# Allegro board 1140022-KU060_PCIE_FIBER_BOARD_V001_pcb166_20240120_1835_pcb.brd (continued)
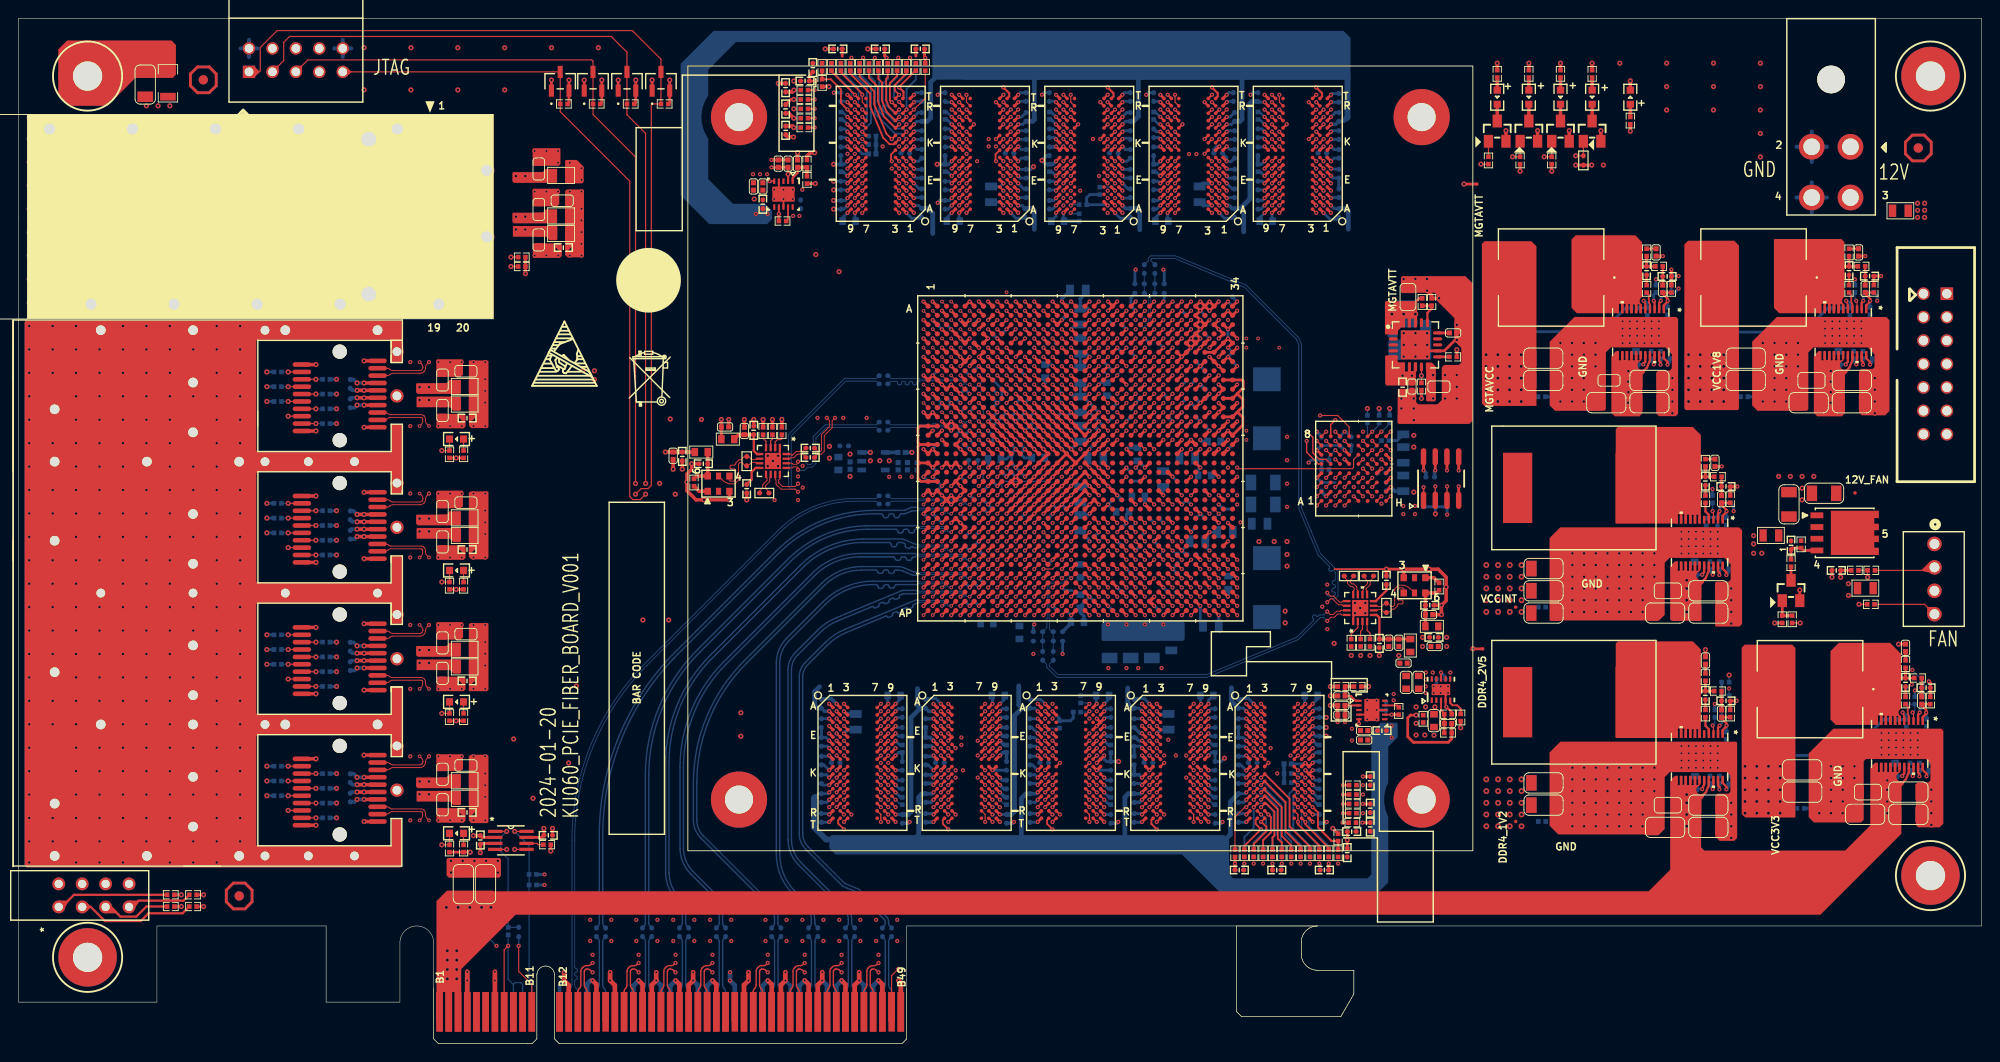
[diagram p0: board, top side]
## Routing (per net, layer and track width the routed paths; a pad name or vN(x,y) marks a point on that pad's centre or on a via; arc(x,y) is an arc through that point) (continued)
CHA_FPGA_DDR4_C2_BG0: length 128.1
  TOP w0.229: U13.M2 v1(107.57,99.67) ; U11.M2 v1(96.27,99.67) ; U12.M2 v1(118.87,99.67) ; U1.C26 v1(124.11,78.45) ; U10.M2 v1(141.48,99.67) ; U9.M2 v1(130.18,99.67)
  ART03 w0.137: 141.88,89.86 141.88,98.38
  ART03 w0.155: v1(124.11,78.45) 124.3,78.45 124.87,79.02 125.48,79.02 125.58,79.12 125.58,79.6 125.96,79.98 126.29,79.98 126.62,80.31 126.62,80.8 130.2,84.38 130.65,84.38 130.81,84.53 130.81,85.14 130.96,85.29 131.27,85.29 131.43,85.14 131.43,84.56 131.61,84.38 131.89,84.38 132.05,84.53 132.05,86.28 132.2,86.44 132.51,86.44 132.67,86.28 132.67,84.56 132.85,84.38 133.2,84.38 133.36,84.53 133.36,87.5 133.51,87.66 133.82,87.66 133.98,87.5 133.98,84.56 134.16,84.38 135.09,84.38 135.24,84.53 135.24,85.34 135.39,85.5 135.7,85.5 135.86,85.34 135.86,84.56 136.04,84.38 136.32,84.38 136.48,84.53 136.48,85.34 136.63,85.5 136.94,85.5 137.1,85.34 137.1,84.56 137.28,84.38 137.56,84.38 137.72,84.53 137.72,85.34 137.87,85.5 138.18,85.5 138.34,85.34 138.34,84.56 138.52,84.38 138.8,84.38 138.96,84.53 138.96,85.34 139.11,85.5 139.42,85.5 139.58,85.34 139.58,84.56 139.76,84.38 140.04,84.38 140.2,84.53 140.2,85.34 140.35,85.5 140.66,85.5 140.82,85.34 140.82,84.76 140.97,84.61 141.42,84.61 141.58,84.76 141.58,85.81 141.42,85.97 140.67,85.97 140.51,86.12 140.51,86.43 140.67,86.59 141.42,86.59 141.58,86.74 141.58,87.05 141.42,87.21 140.67,87.21 140.51,87.36 140.51,87.67 140.67,87.83 141.42,87.83 141.58,87.98 141.58,88.29 141.42,88.45 140.67,88.45 140.51,88.6 140.51,88.91 140.67,89.07 141.42,89.07 141.58,89.22 141.58,89.56 141.88,89.86 ; v1(141.48,99.67) 141.48,98.78 141.88,98.38
  ART05 w0.086: v1(141.48,99.67) 141.07,99.26 139.44,99.26 137.21,101.5 136.76,101.68 134.75,101.68 134.67,101.77 134.67,101.82 134.58,101.9 134.41,101.9 134.32,101.82 134.32,101.77 134.23,101.68 134.08,101.68 131.66,99.27 130.58,99.27 v1(130.18,99.67) 129.77,99.26 128.14,99.26 125.91,101.5 125.46,101.68 123.45,101.68 123.36,101.77 123.36,101.82 123.28,101.9 123.1,101.9 123.02,101.82 123.02,101.77 122.93,101.68 122.77,101.68 120.36,99.27 119.28,99.27 v1(118.87,99.67) 118.47,99.26 117.09,99.26 115.04,101.31 114.16,101.68 112.15,101.68 112.06,101.77 112.06,101.82 111.97,101.9 111.8,101.9 111.72,101.82 111.72,101.77 111.63,101.68 111.47,101.68 109.06,99.27 107.97,99.27 v1(107.57,99.67) 107.16,99.26 105.53,99.26 103.3,101.5 102.85,101.68 100.84,101.68 100.76,101.77 100.76,101.82 100.67,101.9 100.5,101.9 100.41,101.82 100.41,101.77 100.33,101.68 100.17,101.68 97.76,99.27 96.67,99.27 v1(96.27,99.67)
  BOTTOM w0.127: 94.95,100.08 95.73,100.08 96.14,99.67 v1(96.27,99.67)
  BOTTOM w0.201: 94.95,100.08 94.87,100.08 93.7,101.24 93.7,104.06 94.23,104.59 R144.1
CHA_FPGA_DDR4_C2_CAS: length 122.1
  TOP w0.229: U9.M8 v1(124.58,99.67) ; U11.M8 v1(90.67,99.67) ; R151.1 v1(86.31,100.33) ; U10.M8 v1(135.88,99.67) ; U12.M8 v1(113.27,99.67) ; v1(125.11,79.45) U1.B27 ; U13.M8 v1(101.97,99.67)
  ART03 w0.086: v1(135.88,99.67) 135.71,99.67 135.33,99.29 134.68,99.29 134.6,99.37 134.6,99.61 134.51,99.69 134.34,99.69 134.25,99.61 134.25,99.37 134.16,99.29 133.99,99.29 133.9,99.37 133.9,99.58 133.82,99.67 133.65,99.67 133.56,99.58 133.56,99.37 133.47,99.29 133.12,99.29 132.78,99.63 132.78,99.76 131.67,100.87 128.78,100.87 127.99,100.08 125.65,100.08 125.48,99.9 125.07,99.9 124.84,99.67 v1(124.58,99.67) 124.41,99.67 124.03,99.29 123.38,99.29 123.29,99.37 123.29,99.61 123.21,99.69 123.03,99.69 122.95,99.61 122.95,99.37 122.86,99.29 122.69,99.29 122.6,99.37 122.6,99.58 122.51,99.67 122.34,99.67 122.26,99.58 122.26,99.37 122.17,99.29 121.82,99.29 121.48,99.63 121.48,99.76 120.37,100.87 117.47,100.87 116.68,100.08 114.35,100.08 114.17,99.9 113.77,99.9 113.54,99.67 v1(113.27,99.67) 113.11,99.67 112.73,99.29 112.08,99.29 111.99,99.37 111.99,99.61 111.9,99.69 111.73,99.69 111.64,99.61 111.64,99.37 111.56,99.29 111.38,99.29 111.3,99.37 111.3,99.58 111.21,99.67 111.04,99.67 110.95,99.58 110.95,99.37 110.87,99.29 110.52,99.29 110.18,99.63 110.18,99.76 109.06,100.87 106.17,100.87 105.38,100.08 103.05,100.08 102.87,99.9 102.46,99.9 102.24,99.67 v1(101.97,99.67) 101.8,99.67 101.42,99.29 100.77,99.29 100.69,99.37 100.69,99.61 100.6,99.69 100.43,99.69 100.34,99.61 100.34,99.37 100.25,99.29 100.08,99.29 100,99.37 100,99.58 99.91,99.67 99.74,99.67 99.65,99.58 99.65,99.37 99.56,99.29 99.21,99.29 98.87,99.63 98.87,99.76 97.76,100.87 94.87,100.87 94.08,100.08 91.21,100.08 90.81,99.67 v1(90.67,99.67) 90.5,99.67 90.09,99.26 89.64,99.26
  ART03 w0.155: v1(86.31,100.33) 87.42,100.33 88.49,99.26 89.64,99.26
  ART10 w0.137: 140.41,101.67 142.71,101.67 142.72,101.68
  ART10 w0.155: 140.41,101.67 140.29,101.55 138.63,101.55 137.03,99.95 136.4,99.95 136.12,99.67 v1(135.88,99.67) ; v1(125.11,79.45) 125.17,79.45 125.6,79.88 125.6,80.62 127.18,82.19 141.48,82.19 141.68,82.39 141.89,82.39 142.07,82.22 142.29,82.22 142.51,82.44 142.51,82.66 142.33,82.83 142.33,83.05 142.55,83.27 142.77,83.27 143.12,82.92 143.34,82.92 143.56,83.14 143.56,83.36 143.21,83.71 143.21,83.93 143.43,84.15 143.65,84.15 144,83.79 144.22,83.79 144.44,84.01 144.44,84.23 144.09,84.58 144.09,84.8 144.31,85.02 144.53,85.02 144.88,84.67 145.1,84.67 145.32,84.89 145.32,85.11 144.96,85.46 144.96,85.68 148.18,88.9 148.18,100.94 147.45,101.68 142.72,101.68
CHA_FPGA_DDR4_C2_CK_N: length 120
  TOP w0.145: U12.K8 v1(113.27,98.07) ; U13.K8 v1(101.97,98.07) ; v1(135.88,98.07) U10.K8 ; v1(124.58,98.07) U9.K8 ; U11.K8 v1(90.67,98.07) ; U1.A24 v1(122.11,80.45)
  ART05 w0.104: v1(90.67,98.07) 90.74,98.03 91.41,97.67 91.85,97.67 93.41,96.11 98.03,96.11 99.03,96.52 99.18,96.52 99.38,96.32 99.84,96.32 100.35,96.82 100.35,97.21 100.11,97.45 100.11,97.6 100.39,97.89 100.59,97.89 100.81,97.67 101.22,97.67 101.81,97.91 v1(101.97,98.07) 102.04,98.03 102.71,97.67 103.15,97.67 104.71,96.11 109.33,96.11 110.33,96.52 110.48,96.52 110.68,96.32 111.15,96.32 111.65,96.82 111.65,97.21 111.41,97.45 111.41,97.6 111.7,97.89 111.89,97.89 112.11,97.67 112.52,97.67 113.11,97.91 v1(113.27,98.07) 113.34,98.03 114.01,97.67 114.46,97.67 116.02,96.11 120.63,96.11 121.64,96.52 121.78,96.52 121.98,96.32 122.45,96.32 122.95,96.82 122.95,97.21 122.71,97.45 122.71,97.6 123,97.89 123.2,97.89 123.42,97.67 123.83,97.67 124.42,97.91 v1(124.58,98.07) 124.65,98.03 125.31,97.67 125.76,97.67 126.56,96.87 129.05,96.87 129.81,96.11 131.94,96.11 132.94,96.52 133.09,96.52 133.29,96.32 133.75,96.32 134.26,96.82 134.26,97.21 134.02,97.45 134.02,97.6 134.3,97.89 134.5,97.89 134.72,97.67 135.13,97.67 135.72,97.91 v1(135.88,98.07)
  ART10 w0.14: v1(135.88,98.07) U10.K8 138.57,97.67 138.71,97.53 138.71,94.98 138.52,94.79 137.49,94.79 137.16,94.46 137.16,93.64 137.49,93.31 139.77,93.31 140.21,93.74 140.21,96.08 140.35,96.22 142.73,96.22 143.08,96.56 143.08,97.25 143.22,97.39 144.31,97.39 144.45,97.25 144.45,95.28 144.31,95.14 143.31,95.14 142.98,94.8 142.98,93.97 143.31,93.64 144.31,93.64 144.45,93.5 144.45,92.94 144.31,92.8 143.31,92.8 142.98,92.47 142.98,91.64 143.31,91.31 144.31,91.31 144.45,91.17 144.45,90.2 143.65,89.41 143.46,89.41 143.25,89.62 142.78,89.62 142.19,89.03 142.19,88.56 142.4,88.35 142.4,88.15 139.16,84.91 126.1,84.91 124.53,83.33 123.51,83.33 122.3,82.12 122.3,80.59 122.16,80.45 v1(122.11,80.45)
  BOTTOM w0.102: v1(90.67,98.07) 91.05,97.69 91.95,97.69 R160.1
CHA_FPGA_DDR4_C2_CK_P: length 121.6
  TOP w0.145: v1(125.38,98.07) U9.K7 ; v1(136.68,98.07) U10.K7 ; v1(91.47,98.07) U11.K7 ; U13.K7 v1(102.77,98.07) ; v1(122.11,79.45) U1.B24 ; U12.K7 v1(114.07,98.07)
  ART05 w0.104: v1(91.47,98.07) 91.54,98 91.99,98 93.55,96.44 97.96,96.44 98.4,96.63 98.96,96.86 99.32,96.86 99.52,96.66 99.71,96.66 100.01,96.96 100.01,97.07 99.77,97.31 99.77,97.74 100.25,98.22 100.56,98.22 100.81,98.47 102.14,98.47 102.54,98.07 v1(102.77,98.07) 102.84,98 103.29,98 104.85,96.44 109.26,96.44 109.7,96.63 110.27,96.86 110.62,96.86 110.82,96.66 111.01,96.66 111.31,96.96 111.31,97.07 111.07,97.31 111.07,97.74 111.56,98.22 111.86,98.22 112.11,98.47 113.44,98.47 113.84,98.07 v1(114.07,98.07) 114.14,98 114.6,98 116.15,96.44 120.57,96.44 121.01,96.63 121.57,96.86 121.92,96.86 122.12,96.66 122.31,96.66 122.62,96.96 122.62,97.07 122.38,97.31 122.38,97.74 122.86,98.22 123.17,98.22 123.42,98.47 124.74,98.47 125.14,98.07 v1(125.38,98.07) 125.45,98 125.9,98 126.7,97.21 129.18,97.21 129.95,96.44 131.87,96.44 132.87,96.86 133.23,96.86 133.43,96.66 133.61,96.66 133.92,96.96 133.92,97.07 133.68,97.31 133.68,97.74 134.16,98.22 134.47,98.22 134.72,98.47 136.05,98.47 136.45,98.07 v1(136.68,98.07)
  ART10 w0.14: v1(136.68,98.07) 136.75,98 138.71,98 139.04,97.67 139.04,94.84 138.66,94.46 137.63,94.46 137.49,94.32 137.49,93.78 137.63,93.64 139.63,93.64 139.88,93.88 139.88,96.21 140.21,96.55 142.6,96.55 142.75,96.7 142.75,97.38 143.08,97.71 144.45,97.71 144.78,97.38 144.78,95.14 144.45,94.81 143.44,94.81 143.3,94.67 143.3,94.11 143.44,93.97 144.45,93.97 144.78,93.64 144.78,92.81 144.45,92.48 143.44,92.48 143.3,92.34 143.3,91.78 143.44,91.64 144.45,91.64 144.78,91.31 144.78,90.07 143.79,89.08 143.32,89.08 143.11,89.29 142.91,89.29 142.52,88.89 142.52,88.69 142.73,88.48 142.73,88.02 139.29,84.58 126.24,84.58 124.66,83.01 123.65,83.01 122.68,82.04 122.68,79.21 122.54,79.07 122.25,79.07 122.11,79.21 v1(122.11,79.45)
  BOTTOM w0.102: v1(91.47,98.07) 91.21,98.07 91.08,98.2 91.08,98.38 91.18,98.48 92.07,98.48 R159.1
CHA_FPGA_DDR4_C2_CKE: length 131.8
  TOP w0.201: U11.K2 v1(96.27,98.07) ; U10.K2 v1(141.48,98.07)
  TOP w0.229: U9.K2 v1(130.18,98.07) ; U12.K2 v1(118.87,98.07) ; U13.K2 v1(107.57,98.07) ; U1.E22 v1(120.11,76.45)
  ART05 w0.086: v1(141.48,98.07) 141.1,98.45 138.1,98.45 136.67,99.88 136.25,100.06 134.71,100.06 134.62,100.14 134.62,100.37 134.53,100.46 134.36,100.46 134.27,100.37 134.27,100.14 134.19,100.06 133.85,100.06 131.9,98.1 131.88,98.1 131.44,97.66 130.81,97.66 130.4,98.07 v1(130.18,98.07) 129.79,98.45 126.79,98.45 125.36,99.88 124.95,100.06 123.4,100.06 123.32,100.14 123.32,100.37 123.23,100.46 123.06,100.46 122.97,100.37 122.97,100.14 122.88,100.06 122.55,100.06 120.59,98.1 120.58,98.1 120.14,97.66 119.51,97.66 119.1,98.07 v1(118.87,98.07) 118.49,98.45 116.84,98.45 115.24,100.06 112.1,100.06 112.01,100.14 112.01,100.37 111.93,100.46 111.75,100.46 111.67,100.37 111.67,100.14 111.58,100.06 111.24,100.06 109.29,98.1 109.28,98.1 108.84,97.66 108.2,97.66 107.8,98.07 v1(107.57,98.07) 107.19,98.45 104.19,98.45 102.76,99.88 102.34,100.06 100.8,100.06 100.71,100.14 100.71,100.37 100.62,100.46 100.45,100.46 100.37,100.37 100.37,100.14 100.28,100.06 99.94,100.06 97.99,98.1 97.97,98.1 97.54,97.66 96.9,97.66 96.49,98.07 v1(96.27,98.07)
  ART12 w0.137: v1(141.48,98.07) 141.48,97.84 141.08,97.44 141.08,97.37 141.08,97.37 141.08,96.88 140.97,96.77 140.86,96.77
  ART12 w0.155: v1(120.11,76.45) 120.62,76.96 122.3,76.96 122.56,77.22 122.56,80.64 122.81,80.9 129,80.9 135.25,87.15 135.25,87.46 135.1,87.62 132.92,87.62 132.77,87.77 132.77,88.17 132.92,88.32 136.42,88.32 136.58,88.48 136.58,88.79 136.42,88.94 132.92,88.94 132.77,89.1 132.77,89.43 132.92,89.59 137.69,89.59 137.9,89.79 137.9,90.01 137.76,90.15 137.27,90.15 137.13,90.29 137.13,90.56 137.27,90.7 137.76,90.7 137.9,90.84 137.9,91.11 137.76,91.25 137.27,91.25 137.13,91.39 137.13,91.66 137.27,91.8 137.76,91.8 137.9,91.93 137.9,92.21 137.76,92.35 137.27,92.35 137.13,92.48 137.13,92.76 137.27,92.89 137.76,92.89 137.9,93.03 137.9,93.31 137.76,93.44 137.27,93.44 137.13,93.58 137.13,93.85 137.27,93.99 137.76,93.99 137.9,94.13 137.9,94.4 137.76,94.54 137.27,94.54 137.13,94.68 137.13,94.95 137.27,95.09 137.78,95.09 137.95,95.25 137.95,96.84 138.08,96.98 138.44,96.98 138.57,96.84 138.57,95.16 138.71,95.02 138.98,95.02 139.12,95.16 139.12,96.84 139.26,96.98 139.53,96.98 139.67,96.84 139.67,95.16 139.81,95.02 140.08,95.02 140.22,95.16 140.22,96.64 140.36,96.77 140.86,96.77
  BOTTOM w0.201: R154.1 92.2,104.98 92.86,104.32 92.86,100.81 95.02,98.65 95.68,98.65 v1(96.27,98.07)
CHA_FPGA_DDR4_C2_CS: length 125.4
  TOP w0.201: U13.L7 v1(102.77,98.87)
  TOP w0.229: U11.L7 v1(91.47,98.87) ; U12.L7 v1(114.07,98.87) ; U1.A25 v1(123.11,80.45) ; U9.L7 v1(125.38,98.87) ; U10.L7 v1(136.68,98.87)
  ART03 w0.086: v1(136.68,98.87) 136.27,98.46 136.27,97.75 136.19,97.66 135.74,97.66 135.48,97.41 135.48,97.08 135.26,96.85 134.16,96.85 134.07,96.94 134.07,96.99 133.99,97.08 133.81,97.08 133.73,96.99 133.73,96.94 133.64,96.85 133.22,96.85 131.61,98.46 128.82,98.46 128.4,98.87 v1(125.38,98.87) 124.97,98.46 124.97,97.75 124.88,97.66 124.44,97.66 124.18,97.41 124.18,97.08 123.95,96.85 123.52,96.85 123.04,97.33 122.12,97.33 121.81,97.46 120.85,98.42 120.64,98.42 120.55,98.34 120.55,98.26 120.47,98.17 120.3,98.17 120.21,98.26 120.21,98.37 120.12,98.46 117.52,98.46 117.1,98.87 v1(114.07,98.87) 113.67,98.46 113.67,97.75 113.58,97.66 113.13,97.66 112.88,97.41 112.88,97.13 112.6,96.85 111.55,96.85 111.47,96.94 111.47,97.02 111.36,97.13 111.23,97.13 111.12,97.02 111.12,96.94 111.04,96.85 110.61,96.85 109.01,98.46 106.21,98.46 105.8,98.87 v1(102.77,98.87) 102.36,98.46 102.36,97.75 102.28,97.66 101.83,97.66 101.57,97.41 101.57,97.08 101.35,96.85 100.25,96.85 100.16,96.94 100.16,96.99 100.08,97.08 99.91,97.08 99.82,96.99 99.82,96.94 99.73,96.85 99.31,96.85 97.7,98.45 94.91,98.45 94.49,98.87 v1(91.47,98.87)
  ART10 w0.137: 142.7,99.27 140.32,99.27
  ART10 w0.155: v1(123.11,80.45) 123.49,80.84 123.49,81.89 123.95,82.35 125.17,82.35 126.64,83.82 139.47,83.82 139.89,84.24 140.11,84.24 140.62,83.72 140.84,83.72 141.06,83.94 141.06,84.16 140.55,84.68 140.55,84.89 140.77,85.11 140.98,85.11 141.5,84.6 141.72,84.6 141.94,84.82 141.94,85.03 141.42,85.55 141.42,85.77 141.64,85.99 141.86,85.99 142.38,85.47 142.6,85.47 142.82,85.69 142.82,85.91 142.3,86.43 142.3,86.65 142.52,86.87 142.74,86.87 143.26,86.35 143.47,86.35 143.69,86.57 143.69,86.79 143.18,87.31 143.18,87.52 143.4,87.74 143.61,87.74 144.13,87.23 144.35,87.23 144.57,87.45 144.57,87.66 144.05,88.18 144.05,88.4 144.27,88.62 144.49,88.62 144.93,88.18 145.15,88.18 145.37,88.4 145.37,88.62 144.93,89.06 144.93,89.28 145.57,89.92 145.57,99.12 145.41,99.27 144.97,99.27 144.81,99.12 144.81,98.63 144.66,98.48 144.35,98.48 144.19,98.63 144.19,99.12 144.04,99.27 143.73,99.27 143.57,99.12 143.57,98.63 143.42,98.48 143.11,98.48 142.95,98.63 142.95,99.12 142.8,99.27 142.7,99.27 ; 140.32,99.27 140.18,99.27 140.03,99.12 140.03,98.76 139.87,98.6 139.56,98.6 139.41,98.76 139.41,99.12 139.25,99.27 138.69,99.27 138.29,98.87 v1(136.68,98.87)
  BOTTOM w0.201: v1(91.47,98.87) 92.41,99.81 92.41,103.89 91.18,105.11 R148.1
CHA_FPGA_DDR4_C2_D0: length 24.9
  TOP w0.201: U9.G2 v1(130.18,94.87) ; U1.A19 v1(117.11,80.45)
  ART03 w0.137: v1(130.18,94.87) 129.78,94.47 129.78,89.78 130.23,89.33 130.23,88.72 129.97,88.46 129.97,87.55 124.61,82.19 124.16,82.19 122.83,80.87 117.53,80.87 v1(117.11,80.45)
CHA_FPGA_DDR4_C2_D1: length 29.3
  TOP w0.201: U9.F7 v1(125.38,94.07) ; v1(112.11,79.45) U1.B15
  ART03 w0.137: v1(112.11,79.45) 112.11,79.34 111.63,78.87 111,78.87 110.62,79.25 110.62,81.51 110.82,81.71 111.01,81.71 111.48,81.25 111.67,81.25 111.87,81.44 111.87,81.63 111.4,82.1 111.4,82.29 115.8,86.69 121.23,86.69 124.18,89.63 124.18,93.54 124.31,93.67 124.98,93.67 v1(125.38,94.07)
CHA_FPGA_DDR4_C2_D2: length 26
  TOP w0.201: U1.A18 v1(116.11,80.45) ; U9.H3 v1(129.38,95.67)
  ART03 w0.137: v1(116.11,80.45) 115.87,80.68 115.87,81.53 117.14,82.8 122.28,82.8 124.04,84.57 124.23,84.57 124.31,84.5 124.5,84.5 124.69,84.69 124.69,84.88 124.62,84.96 124.62,85.15 125.88,86.41 126.18,86.41 126.42,86.64 126.42,86.95 127.89,88.42 127.89,94.51 129.05,95.67 v1(129.38,95.67)
CHA_FPGA_DDR4_C2_D3: length 29.3
  TOP w0.201: v1(113.11,79.45) U1.B16 ; U9.H7 v1(125.38,95.67)
  ART03 w0.137: v1(113.11,79.45) 113.61,79.96 113.61,80.73 113.75,80.87 114.01,80.87 114.15,81.01 114.15,81.28 114.01,81.42 113.75,81.42 113.61,81.56 113.61,81.86 116.28,84.53 117.28,84.53 117.42,84.67 117.42,84.72 117.56,84.86 117.83,84.86 117.97,84.72 117.97,84.67 118.1,84.53 118.38,84.53 118.52,84.67 118.52,85.23 118.65,85.37 118.93,85.37 119.06,85.23 119.06,84.67 119.2,84.53 119.48,84.53 119.61,84.67 119.61,85.23 119.75,85.37 122.05,85.37 126.24,89.56 126.24,95.35 125.92,95.67 v1(125.38,95.67)
CHA_FPGA_DDR4_C2_D4: length 29.2
  TOP w0.201: U9.H2 v1(130.18,95.67) ; U1.C18 v1(116.11,78.45)
  ART03 w0.137: v1(130.18,95.67) 129.73,96.11 129.01,96.11 127.51,94.61 127.51,88.87 127.3,88.67 127.3,88.47 122.07,83.24 116.92,83.24 115.44,81.76 115.44,79.12 v1(116.11,78.45)
CHA_FPGA_DDR4_C2_D5: length 28.1
  TOP w0.201: v1(114.11,79.45) U1.B17 ; U9.H8 v1(124.58,95.67)
  ART03 w0.137: v1(124.58,95.67) 125.04,96.14 126.03,96.14 126.75,95.43 126.75,89.31 122.33,84.89 120.52,84.89 119.74,84.1 116.54,84.1 114.55,82.12 114.55,79.9 v1(114.11,79.45)
CHA_FPGA_DDR4_C2_D6: length 29.1
  TOP w0.201: U1.C17 v1(114.11,78.45) ; U9.J3 v1(128.58,96.47)
  ART03 w0.137: v1(114.11,78.45) 114.99,79.33 114.99,81.94 116.71,83.67 120.02,83.67 120.8,84.45 121.53,84.45 121.67,84.32 121.67,83.98 121.81,83.85 122.08,83.85 122.22,83.98 122.22,84.32 122.35,84.45 122.53,84.45 127.13,89.06 127.13,95.02 v1(128.58,96.47)
CHA_FPGA_DDR4_C2_D7: length 29.2
  TOP w0.201: U1.A15 v1(112.11,80.45) ; U9.J7 v1(125.38,97.27)
  ART03 w0.137: v1(112.11,80.45) 112.48,80.45 113.13,81.1 113.13,81.99 116.46,85.32 117.93,85.32 118.42,85.8 121.82,85.8 125.86,89.84 125.86,95.11 125.7,95.27 124.32,95.27 124.18,95.41 124.18,95.98 124.66,96.47 125.22,96.47 125.38,96.62 v1(125.38,97.27)
CHA_FPGA_DDR4_C2_D8: length 31.7
  TOP w0.201: U9.A3 v1(129.38,90.07) ; U1.F15 v1(112.11,75.45)
  ART12 w0.137: v1(112.11,75.45) 112.11,75.12 112.7,74.52 113.51,74.52 113.92,74.93 115.27,74.93 115.62,75.29 115.62,76.61 115.98,76.96 117.4,76.96 117.6,77.16 117.6,81.76 117.78,81.94 117.97,81.94 118.31,81.6 118.51,81.6 118.7,81.8 118.7,81.99 118.36,82.33 118.36,82.52 120.7,84.86 126.7,84.86 129.29,87.45 129.29,89.98 v1(129.38,90.07)
CHA_FPGA_DDR4_C2_D9: length 31.7
  TOP w0.201: U1.E16 v1(113.11,76.45) ; U9.B8 v1(124.58,90.87)
  ART12 w0.137: v1(124.58,90.87) 124.18,90.47 124.18,89.81 124.07,89.71 123.96,89.71 123.83,89.58 123.83,89.23 123.96,89.09 125.14,89.09 125.3,88.93 125.3,88.68 125.16,88.54 123.96,88.54 123.83,88.41 123.83,87.13 123.69,87 123.41,87 123.28,87.13 123.28,87.98 123.14,88.11 122.87,88.11 122.73,87.98 122.73,87.13 122.59,87 119.83,87 115.14,82.3 115.14,77.44 114.66,76.96 113.75,76.96 113.61,76.82 113.61,75.26 113.31,74.96 112.95,74.96 112.6,75.31 112.6,76.31 112.74,76.45 v1(113.11,76.45)
CHA_FPGA_DDR4_C2_D10: length 30.6
  TOP w0.201: U9.C3 v1(129.38,91.67) ; U1.E18 v1(116.11,76.45)
  ART12 w0.137: v1(129.38,91.67) 129.78,91.27 129.78,89.56 129.91,89.43 130.57,89.43 130.71,89.29 130.71,89.02 130.57,88.88 129.91,88.88 129.78,88.74 129.78,88.47 129.91,88.33 130.57,88.33 130.71,88.19 130.71,87.92 130.57,87.78 129.91,87.78 129.78,87.64 129.78,87.26 126.95,84.43 120.9,84.43 119.15,82.68 119.15,81.16 118.53,80.54 118.53,77.24 118.25,76.96 117.98,76.96 117.6,76.58 117.6,76.08 117.46,75.95 116.79,75.95 116.28,76.45 v1(116.11,76.45)
CHA_FPGA_DDR4_C2_D11: length 31.3
  TOP w0.201: U1.E17 v1(114.11,76.45) ; U9.C7 v1(125.38,91.67)
  ART12 w0.137: v1(125.38,91.67) 125.11,91.67 124.98,91.53 124.98,89.83 125.25,89.56 125.4,89.56 125.83,89.13 126.25,89.13 126.39,88.99 126.39,88.72 126.25,88.58 126.05,88.58 125.5,88.04 125.5,86.67 125.36,86.54 124.96,86.54 124.83,86.67 124.83,87.87 124.69,88.01 124.44,88.01 124.28,87.85 124.28,86.7 124.14,86.56 120.04,86.56 115.67,82.19 115.67,77.29 115.19,76.81 115.19,75.47 115.05,75.34 114.67,75.34 114.53,75.47 114.53,76.31 114.39,76.45 v1(114.11,76.45)
CHA_FPGA_DDR4_C2_D12: length 32
  TOP w0.201: U1.F14 v1(111.11,75.45) ; U9.C2 v1(130.18,91.67)
  ART12 w0.137: v1(111.11,75.45) 111.11,75.46 111.38,75.97 111.63,76.45 111.63,80.41 112.33,82.34 112.33,82.36 119.45,89.47 119.84,89.64 120.8,90.6 121.46,91.59 123.49,93.62 123.62,93.67 127.34,93.67 129.27,92.87 129.56,92.87 129.78,92.65 129.78,92.43 129.81,92.29 129.85,92.22 v1(130.18,91.67)
CHA_FPGA_DDR4_C2_D13: length 31.6
  TOP w0.201: U1.D16 v1(113.11,77.45) ; U9.C8 v1(124.58,91.67)
  ART12 w0.137: v1(113.11,77.45) 113.49,77.45 114.02,77.98 114.49,77.98 114.63,78.12 114.63,82.42 114.78,82.57 114.78,82.85 115.03,83.1 115.31,83.1 115.55,83.35 115.55,83.63 115.8,83.87 116.08,83.87 116.33,84.12 116.33,84.4 116.58,84.65 116.86,84.65 119.63,87.43 119.83,87.43 119.97,87.56 119.97,88.03 120.11,88.16 120.38,88.16 120.52,88.03 120.52,87.56 120.65,87.43 120.93,87.43 121.07,87.56 121.07,89.14 121.2,89.28 121.48,89.28 121.61,89.14 121.61,87.56 121.75,87.43 122.11,87.43 122.25,87.56 122.25,90.19 122.39,90.32 122.66,90.32 122.8,90.19 122.8,88.71 122.94,88.57 123.23,88.57 123.37,88.71 123.37,91.13 123.5,91.27 124.44,91.27 124.58,91.41 v1(124.58,91.67)
CHA_FPGA_DDR4_C2_D14: length 31.7
  TOP w0.201: U9.D3 v1(129.38,92.47) ; U1.E15 v1(112.11,76.45)
  ART12 w0.137: v1(129.38,92.47) 128.98,92.07 128.74,92.07 128.6,91.93 128.6,91.48 128.47,91.34 128.19,91.34 128.05,91.48 128.05,91.91 127.92,92.05 127.64,92.05 127.51,91.91 127.51,91.5 127.37,91.36 127.09,91.36 126.96,91.5 126.96,91.91 126.82,92.05 126.55,92.05 126.41,91.91 126.41,91.48 126.27,91.34 126,91.34 125.86,91.48 125.86,91.93 125.72,92.07 123.49,92.07 122.96,91.54 122.96,91.08 122.63,90.75 122.05,90.75 114.2,82.91 114.2,81.14 114.06,81 113.77,81 113.56,80.8 113.56,78.26 113.25,77.94 112.86,77.94 112.65,77.72 112.65,77.22 112.11,76.68 v1(112.11,76.45)
CHA_FPGA_DDR4_C2_D15: length 31.3
  TOP w0.201: U9.D7 v1(125.38,92.47) ; U1.D15 v1(112.11,77.45)
  ART12 w0.102: 125.22,92.87 125.66,92.87 125.74,92.94
  ART12 w0.137: v1(112.11,77.45) 112.11,77.82 112.65,78.36 112.65,80.83 112.79,80.97 113.02,80.97 113.16,81.1 113.16,81.38 113.02,81.51 112.79,81.51 112.65,81.65 112.65,81.97 112.87,82.19 113.06,82.19 113.31,81.93 113.51,81.93 113.73,82.15 113.73,82.35 113.48,82.6 113.48,82.79 121.41,90.73 121.41,90.96 121.8,91.34 121.99,91.34 122.15,91.18 122.37,91.18 122.55,91.36 122.55,91.56 122.38,91.73 122.38,91.93 123.33,92.87 125.22,92.87 ; 125.74,92.94 125.83,93.04 127.8,93.04 127.94,92.9 127.94,92.61 127.8,92.47 v1(125.38,92.47)
CHA_FPGA_DDR4_C2_D16: length 46.7
  TOP w0.201: U10.G2 v1(141.48,94.87) ; U1.H19 v1(117.11,73.45)
  ART05 w0.137: v1(117.11,73.45) 117.52,73.45 117.98,73.91 118.39,73.91 118.59,74.12 118.59,75.67 118.87,75.95 119.48,75.95 119.61,76.07 119.61,77.62 119.96,77.98 120.4,77.98 120.52,78.11 120.52,81.41 122.05,82.93 124.66,82.93 124.8,82.79 124.8,82.13 124.94,81.99 125.21,81.99 125.35,82.13 125.35,82.79 125.48,82.93 125.76,82.93 125.9,82.79 125.9,81.95 126.03,81.81 126.31,81.81 126.44,81.95 126.44,82.79 126.58,82.93 126.86,82.93 126.99,82.79 126.99,82.08 127.13,81.94 127.4,81.94 127.54,82.08 127.54,82.79 127.68,82.93 128.04,82.93 128.18,82.79 128.18,82.64 128.31,82.5 128.59,82.5 128.72,82.64 128.72,82.79 128.86,82.93 129.61,82.93 139.07,86.85 141.88,89.66 141.88,94.24 141.48,94.64 v1(141.48,94.87)
CHA_FPGA_DDR4_C2_D17: length 48.3
  TOP w0.201: U10.F7 v1(136.68,94.07) ; U1.H16 v1(113.11,73.45)
  ART05 w0.137: v1(113.11,73.45) 113.11,74.25 113.79,74.93 114.55,74.93 115.32,75.69 115.32,78.49 115.82,78.99 116.46,78.99 116.59,79.12 116.59,82.63 119.84,85.88 119.85,85.88 119.99,86.01 119.99,86.2 120.12,86.33 120.4,86.33 120.53,86.2 120.53,86.01 120.67,85.88 120.95,85.88 121.08,86.01 121.08,86.38 121.22,86.51 121.49,86.51 121.63,86.38 121.63,86.01 121.77,85.88 122.04,85.88 122.18,86.01 122.18,86.38 122.32,86.51 122.59,86.51 122.73,86.38 122.73,86.01 122.87,85.88 123.14,85.88 123.28,86.01 123.28,86.38 123.42,86.51 123.69,86.51 123.83,86.38 123.83,86.01 123.96,85.88 124.24,85.88 124.38,86.01 124.38,86.38 124.51,86.51 124.79,86.51 124.92,86.38 124.92,86.01 125.06,85.88 125.34,85.88 125.47,86.01 125.47,86.38 125.61,86.51 125.88,86.51 126.02,86.38 126.02,86.01 126.16,85.88 126.43,85.88 126.57,86.01 126.57,86.38 126.71,86.51 126.98,86.51 127.12,86.38 127.12,86.01 127.26,85.88 127.53,85.88 127.67,86.01 127.67,86.38 127.8,86.51 128.08,86.51 128.22,86.38 128.22,86.01 128.35,85.88 128.63,85.88 128.76,86.01 128.76,86.38 128.9,86.51 129.18,86.51 129.31,86.38 129.31,86.01 129.45,85.88 129.9,85.88 135.99,88.4 136.28,88.69 136.28,93.93 136.42,94.07 v1(136.68,94.07)
CHA_FPGA_DDR4_C2_D18: length 48.2
  TOP w0.201: U1.H17 v1(114.11,73.45) ; U10.H3 v1(140.68,95.67)
  ART05 w0.137: v1(114.11,73.45) 114.39,73.37 116.26,72.9 116.52,72.64 116.65,72.33 116.88,72.09 117.02,72.03 118.19,72.03 118.44,72.14 118.57,72.45 118.77,72.75 118.88,72.85 119.31,73.03 119.53,73.25 119.71,73.68 120.93,74.9 121.26,74.9 121.59,75.23 121.59,76.63 121.95,76.99 122.38,76.99 122.68,77.29 122.68,80.53 122.75,80.68 122.92,80.86 123.2,80.98 127.4,80.98 139.42,85.95 143.13,89.66 143.13,94.26 142.89,94.82 142.45,95.27 142.09,95.27 141.88,95.48 141.88,95.84 141.63,96.09 141.36,96.09 141.21,96.03 v1(140.68,95.67)
CHA_FPGA_DDR4_C2_D19: length 44.7
  TOP w0.201: U1.F17 v1(114.11,75.45) ; U10.H7 v1(136.68,95.67)
  ART05 w0.137: v1(136.68,95.67) 136.28,95.27 136.28,94.63 136.13,94.47 135.62,94.47 135.48,94.34 135.48,89.33 134.37,88.22 131.29,86.94 130.11,86.94 129.97,87.08 129.97,87.32 129.83,87.45 129.56,87.45 129.42,87.32 129.42,87.08 129.28,86.94 129.01,86.94 128.87,87.08 128.87,87.32 128.73,87.45 128.46,87.45 128.32,87.32 128.32,87.08 128.19,86.94 127.91,86.94 127.77,87.08 127.77,87.32 127.64,87.45 127.36,87.45 127.23,87.32 127.23,87.08 127.09,86.94 126.81,86.94 126.68,87.08 126.68,87.32 126.54,87.45 126.26,87.45 126.13,87.32 126.13,87.08 125.99,86.94 125.72,86.94 125.58,87.08 125.58,87.32 125.44,87.45 125.17,87.45 125.03,87.32 125.03,87.08 124.89,86.94 124.62,86.94 124.48,87.08 124.48,87.32 124.34,87.45 124.07,87.45 123.93,87.32 123.93,87.08 123.8,86.94 123.52,86.94 123.38,87.08 123.38,87.32 123.25,87.45 122.97,87.45 122.84,87.32 122.84,87.08 122.7,86.94 122.42,86.94 122.29,87.08 122.29,87.32 122.15,87.45 121.88,87.45 121.74,87.32 121.74,87.08 121.6,86.94 121.33,86.94 121.19,87.08 121.19,87.32 121.05,87.45 120.78,87.45 120.64,87.32 120.64,87.08 120.5,86.94 120.14,86.94 115.57,82.37 115.57,79.25 114.94,78.61 114.94,76.33 114.11,75.5 v1(114.11,75.45)